# Altium PCB Booster_Main_Board.PcbDoc (part 11 of 13)
Units mm, origin at the board's own origin, x right, y up, seen from the top; angles counter-clockwise.
Board outline 400.01 x 117.51 mm, 4 copper layers (Component Side, Signal Layer 1, Power Plane, Solder Side), stack 1.604 mm thick; 1091 components, 573 nets, 3133 pads, 1954 vias.
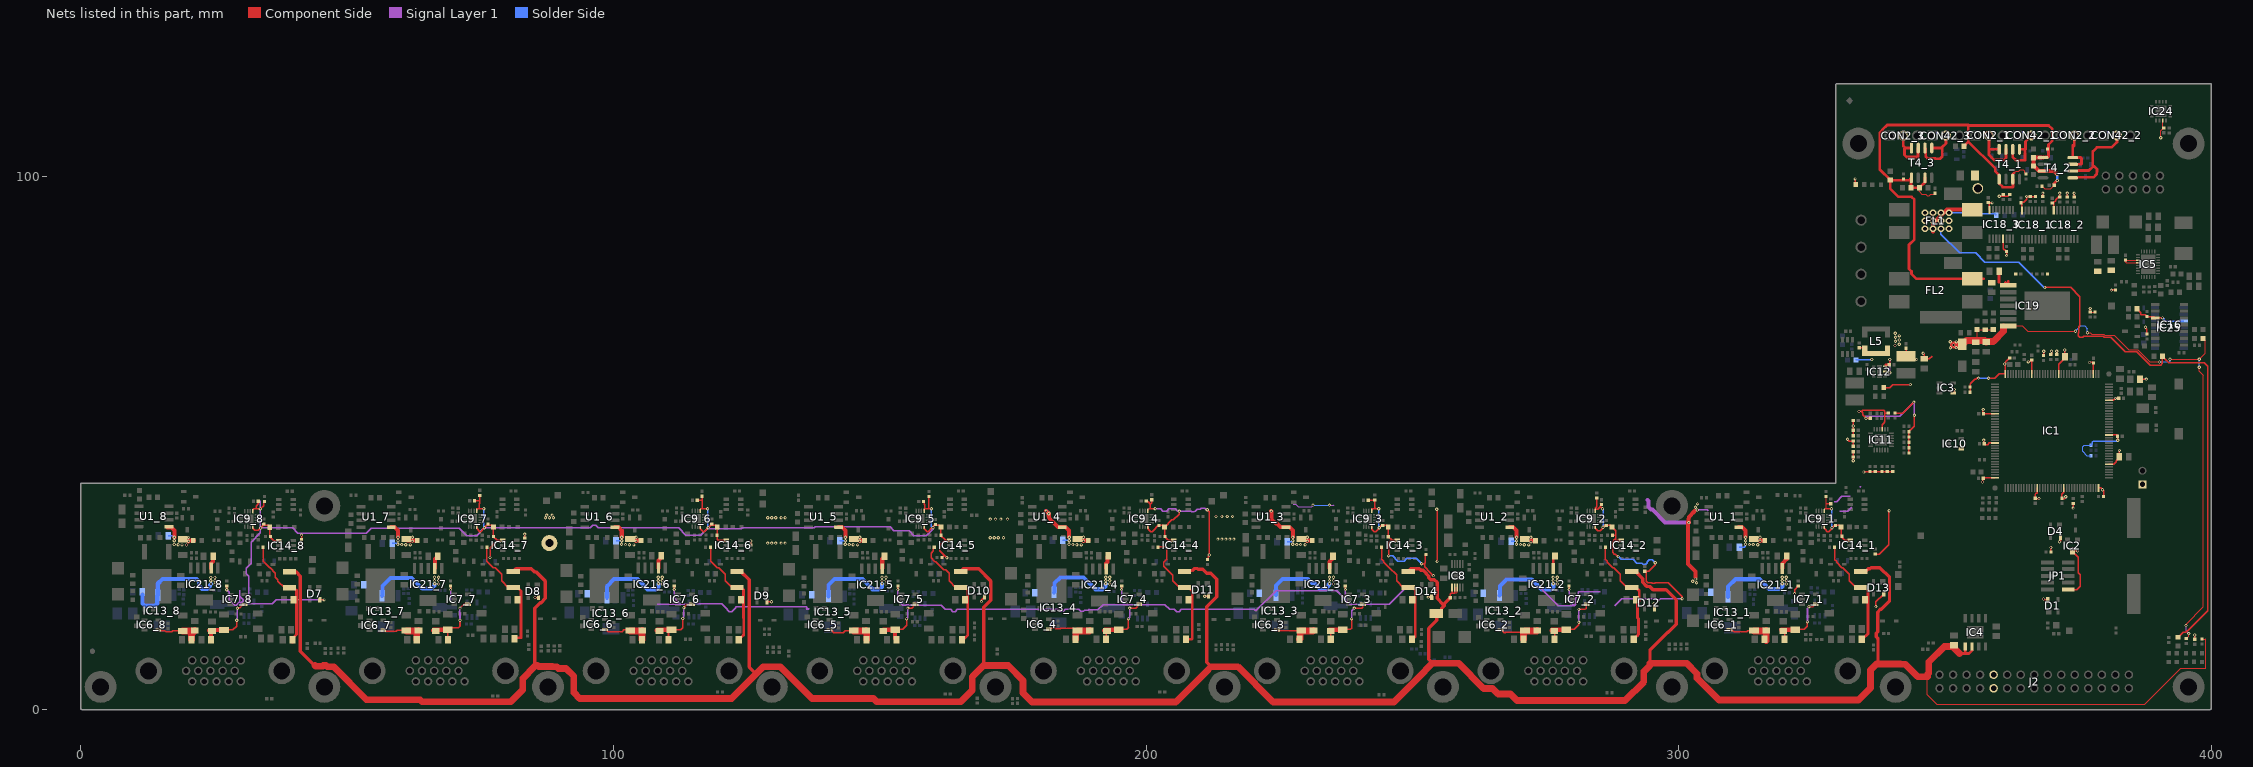
[diagram p13: the nets of this part, all layers, seen from the top]

## Via types
v1: diameter 0.6, hole 0.3, Component Side to Solder Side, tented both sides, 1808 vias
v2: diameter 0.6, hole 0.3, Component Side to Solder Side, 77 vias
v3: diameter 0.5, hole 0.3, Component Side to Solder Side, 40 vias
v4: diameter 1.27, hole 0.711, Component Side to Solder Side, tented both sides, 24 vias
v5: diameter 1.2, hole 0.8, Component Side to Solder Side, tented both sides, 5 vias

## Nets (pads, with @x,y where several pads share a name; then routed paths per layer and width w, separated by ;. In a path a pad name is that pad's centre, name@x,y a point inside that pad or via, vN(x,y) a via of type N, cw(c..) or ccw(c..) an arc to the next point about the centre after c; other vN are vias at no path point) (continued)
P3V3: C5.1 C6.1 C7.1 C8.1 C9.1 C10.1 C11.1 C12.1 C13.1 C14.1 C15.1 C16.1 C47_1.2 C47_2.2 C47_3.2 C47_4.2 C47_5.2 C47_6.2 C47_7.2 C47_8.2 C51.2 C53.1 C55.2 C56.2 C65.1 C88.2 C113_1.2 C113_2.2 C113_3.2 D1.4 D4.4 D7.4 D8.4 D9.4 D10.4 D11.4 D12.4 D13.4 D14.4 FB1.2 IC1.6 IC1.17 IC1.30 IC1.39 IC1.52 IC1.62 IC1.72 IC1.84 IC1.95 IC1.108 IC1.121 IC1.131 IC1.144 IC2.3 IC3.4 IC9_1.5 IC9_1.16 IC9_2.5 IC9_2.16 IC9_3.5 IC9_3.16 IC9_4.5 IC9_4.16 IC9_5.5 IC9_5.16 IC9_6.5 IC9_6.16 IC9_7.5 IC9_7.16 IC9_8.5 IC9_8.16 IC10.1 IC11.21 IC12.8 IC12.10 IC14_1.1 IC14_2.1 IC14_3.1 IC14_4.1 IC14_5.1 IC14_6.1 IC14_7.1 IC14_8.1 IC16.3 IC18_1.8 IC18_2.8 IC18_3.8 IC18_3.13 IC24.3 IC25.3 J2.21 J2.22 JP1.1 JP2.1 L2.2 L5.2 R1.1 R5.1 R6.1 R14.2 R22.1 R23.1 R24.1 R25.1 R32_1.1 R32_2.1 R32_3.1 R32_4.1 R32_5.1 R32_6.1 R32_7.1 R32_8.1 R36.1 R41.1 R51_1.1 R51_2.1 R51_3.1 R51_4.1 R51_5.1 R51_6.1 R51_7.1 R51_8.1 R52_1.1 R52_2.1 R52_3.1 R52_4.1 R52_5.1 R52_6.1 R52_7.1 R52_8.1 R57_1.2 R57_2.2 R57_3.2 R57_4.2 R57_5.2 R57_6.2 R57_7.2 R57_8.2 R60.1 R61.2 R62.1 R63.2 R64.2 R65.2 R68.2 R70.2 R71.2 R72.2 R73.2 R74.2 R75.2 R76.2 R77.2 R78.2 R79.2 R80.2 R81.2 R83_1.1 R83_2.1 R83_3.1 R83_4.1 R83_5.1 R83_6.1 R83_7.1 R83_8.1 R92.1 R94.1 R100.2 R105.2 R106.2 R107_1.2 R107_2.2 R107_3.2 R107_4.2 R107_5.2 R107_6.2 R107_7.2 R107_8.2 R111.2 R112.2 R113.2 R119.2 R124.2 R132.2 R133.2 R142.2 R147_1.2 R147_2.2 R147_3.2 R148_1.2 R148_2.2 R148_3.2 | length 820
  Component Side w0.152: v1(377.239,75.311) 377.239,74.634 R133.2@377.228,74.623 377.233,74.619 R132.2@378.128,74.619 ; v1(390.503,107.329) 390.471,107.361 390.471,108.662 390.631,108.822 390.674,108.822 C88.2@391.036,109.183 390.861,109.358 IC24.3@390.861,110.57
  Component Side w0.178: 327.461,37.697 327.647,37.883 327.647,38.615 R52_1.1@327.647,39.962
  Component Side w0.254: v1(27.407,22.479) R51_8.1@27.407,23.177 ; IC9_8.16@32.322,34.31 32.322,34.004 32.62,33.706 32.709,33.706 32.78,33.634 33.321,33.634 v1(33.773,34.087) 34.239,34.553 35.157,34.553 R107_8.2@35.476,34.234 35.476,32.443 36.185,31.735 IC14_8.1@37.182,31.735 ; IC9_8.5@32.322,37.26 32.322,37.529 32.461,37.668 32.92,37.668 ; C47_8.2@33.34,39.129 33.34,38.6 32.92,38.18 32.92,37.668 ; R52_8.1@34.493,39.034 34.473,39.034 34.31,38.871 34.31,38.298 v1(33.68,37.668) 32.92,37.668 ; R32_8.1@41.433,31.939 41.439,31.945 v1(41.438,32.753) ; D7.4@44.867,20.592 45.648,20.592 v1(45.667,20.574) ; v1(69.407,22.508) R51_7.1@69.407,23.206 ; C47_7.2@73.907,39.199 74.834,39.199 74.879,39.154 ; IC9_7.16@74.322,34.339 74.322,34.001 74.918,33.405 75.093,33.405 75.773,34.085 v1(75.773,34.116) 76.239,34.582 77.157,34.582 R107_7.2@77.476,34.263 R83_7.1@77.476,32.472 78.185,31.764 ; IC9_7.5@74.322,37.289 74.322,37.558 74.461,37.697 74.879,37.697 ; R52_7.1@74.879,40.221 74.879,39.154 ; v1(75.68,37.697) 74.879,37.697 ; v1(76.828,28.563) 76.828,30.407 78.185,31.764 ; IC14_7.1@79.182,31.764 78.185,31.764 ; R32_7.1@83.356,32.22 v1(83.356,32.935) ; v1(85.268,21.031) 85.275,21.024 D8.4@85.913,21.024 ; v1(111.407,22.508) R51_6.1@111.407,23.206 ; C47_6.2@115.748,39.284 116.637,39.284 ; IC9_6.16@116.322,34.339 116.322,33.912 116.83,33.405 117.062,33.405 v1(117.773,34.116) 118.239,34.582 119.157,34.582 R107_6.2@119.476,34.263 R83_6.1@119.476,32.725 119.476,31.983 119.696,31.764 IC14_6.1@121.182,31.764 ; IC9_6.5@116.322,37.289 116.322,37.558 116.461,37.697 116.637,37.697 ; R52_6.1@116.637,40.048 116.637,39.284 ; v1(117.68,37.697) 116.637,37.697 ; R32_6.1@125.789,30.894 v1(125.789,31.647) ; D9.4@128.839,20.211 129.635,20.211 v1(129.667,20.244) ; v1(153.407,22.508) R51_5.1@153.407,23.206 ; C47_5.2@158.21,39.065 158.323,38.952 158.323,38.527 158.402,38.449 IC9_5.5@158.402,37.638 ; IC9_5.16@158.322,34.339 158.322,33.949 158.867,33.405 159.062,33.405 159.769,34.112 v1(159.995,34.112) 159.995,34.337 160.239,34.582 161.157,34.582 R107_5.2@161.476,34.263 161.476,32.658 162.277,31.856 161.228,30.807 161.228,29.812 162.026,29.014 ; IC9_5.5@158.322,37.289 158.323,37.29 158.323,37.559 IC9_5.5@158.402,37.638 ; R52_5.1@159.223,39.981 159.223,37.85 159.071,37.697 ; v1(159.68,37.697) 159.071,37.697 ; R32_5.1@161.822,28.349 161.706,28.465 R32_5.1@161.706,28.554 161.706,28.574 161.869,28.737 161.877,28.737 162.026,28.886 162.026,29.014 ; 162.37,31.764 IC14_5.1@163.182,31.764 ; v1(162.608,28.505) 162.535,28.505 162.026,29.014 ; v1(169.088,20.269) 169.088,20.498 169.631,21.041 D10.4@169.631,21.177 ; v1(195.407,22.508) R51_4.1@195.407,23.206 ; C47_4.2@200.011,39.159 200.194,38.976 200.37,38.976 200.801,38.545 ; IC9_4.16@200.322,34.339 200.436,34.225 200.436,33.872 200.904,33.405 201.127,33.405 201.773,34.05 201.773,34.116 202.239,34.582 R57_4.2@202.413,34.582 203.157,34.582 R107_4.2@203.476,34.263 ; IC9_4.5@200.322,37.289 200.322,37.558 200.461,37.697 200.801,37.697 ; R52_4.1@201.047,39.39 201.047,38.791 200.801,38.545 ; v1(201.68,37.697) 200.801,37.697 ; IC14_4.1@205.182,31.764 204.185,31.764 203.476,32.472 R107_4.2@203.476,34.263 ; v1(206.228,37.254) 206.228,36.701 205.121,35.594 204.818,35.594 203.487,34.263 R107_4.2@203.476,34.263 ; v1(210.998,21.285) 211.016,21.304 D11.4@211.694,21.304 ; v1(211.494,37.504) 211.868,37.13 v1(211.868,29.01) 211.868,28.916 211.641,28.689 211.641,28.285 R32_4.1@211.527,28.171 R32_4.1@211.527,28.177 ; v1(237.407,22.508) R51_3.1@237.407,23.206 ; C47_3.2@241.704,39.28 242.863,39.28 R52_3.1@242.898,39.314 242.898,37.87 243.071,37.697 ; IC9_3.16@242.322,34.339 242.367,34.294 242.367,33.826 242.788,33.405 243.105,33.405 243.773,34.072 v1(243.773,34.116) 244.239,34.582 R57_3.2@244.424,34.582 245.157,34.582 R107_3.2@245.476,34.263 245.476,32.472 246.095,31.854 ; IC9_3.5@242.322,37.289 242.322,37.558 242.461,37.697 243.071,37.697 ; v1(243.68,37.697) 243.071,37.697 ; v1(245.528,28.842) 245.528,31.287 246.095,31.854 ; IC14_3.1@247.182,31.764 246.185,31.764 246.095,31.854 ; v1(251.728,27.354) 252.192,27.354 ; 252.241,27.305 252.354,27.192 252.354,26.795 252.786,26.363 252.786,26.211 253.157,25.839 253.425,25.571 253.43,25.571 253.856,25.146 v1(253.949,25.146) ; 252.354,27.418 252.448,27.513 252.448,29.042 R32_3.1@252.528,29.122 R32_3.1@252.695,28.956 ; v1(252.959,21.107) 252.966,21.1 D14.4@253.629,21.1 ; v1(254.56,37.597) 254.635,37.522 v1(254.635,27.82) ; v1(279.407,22.508) R51_2.1@279.407,23.206 ; IC9_2.16@284.322,34.339 284.322,34.06 284.773,33.609 285.253,33.609 285.775,34.131 v1(285.775,34.214) 285.86,34.214 285.866,34.208 286.239,34.582 R57_2.2@286.41,34.582 287.157,34.582 R107_2.2@287.476,34.263 288.18,33.559 288.18,32.725 ; IC9_2.5@284.322,37.289 IC9_2.5@284.322,37.564 ; R52_2.1@284.573,39.687 284.573,38.036 284.351,37.814 284.351,37.587 284.342,37.587 284.322,37.567 IC9_2.5@284.322,37.564 ; C47_2.2@285.293,38.687 C47_2.2@285.385,38.595 ; v1(285.68,37.697) 285.305,38.072 ; R83_2.1@287.586,32.725 R83_2.1@287.596,32.725 288.18,32.725 ; v1(288.608,28.747) 288.515,28.747 288.089,29.172 287.904,29.172 287.565,29.512 287.565,31.465 288.024,31.925 ; IC14_2.1@289.182,31.764 288.185,31.764 288.024,31.925 ; R32_2.1@293.611,25.966 R32_2.1@293.848,25.966 ; v1(295.377,19.914) 295.438,19.853 D12.4@295.438,18.941 ; v1(295.568,27.575) 295.568,27.217 294.317,25.966 R32_2.1@293.848,25.966 ; v1(300.628,20.803) 300.628,21.211 298.065,23.775 295.568,23.775 295.468,23.675 294.988,23.675 294.888,23.775 294.188,23.775 293.848,24.114 R32_2.1@293.848,25.966 ; 302.795,36.781 v1(303.479,37.465) ; 302.986,24.75 v1(303.225,24.511) ; v1(321.728,21.754) 321.728,22.527 R51_1.1@322.407,23.206 ; IC9_1.16@327.322,34.339 327.322,34.025 327.477,33.87 327.477,33.831 327.904,33.405 328.127,33.405 328.773,34.05 v1(328.773,34.116) 329.239,34.582 R57_1.2@329.413,34.582 330.157,34.582 R107_1.2@330.476,34.263 330.476,32.472 331.185,31.764 IC14_1.1@332.182,31.764 ; 327.461,37.697 v1(328.68,37.697) ; 327.647,38.615 C47_1.2@328.54,38.615 ; v1(331.699,50.749) 332.041,50.407 R64.2@332.749,50.407 R65.2@332.749,49.407 ; v1(332.749,46.701) R70.2@332.749,47.407 R68.2@332.749,48.407 ; R63.2@332.749,51.407 R61.2@332.749,52.407 v1(332.749,53.229) 332.758,53.238 R105.2@332.758,54.254 ; v1(333.096,99.619) 333.096,98.692 R142.2@333.21,98.577 ; v1(333.828,55.954) 334.243,55.954 ; C51.2@333.877,67.929 334.834,67.929 L5.2@334.909,67.854 ; v1(334.747,44.602) 334.823,44.679 R71.2@335.91,44.679 R72.2@336.91,44.679 R73.2@338.16,44.679 R74.2@339.16,44.679 R75.2@340.16,44.679 ; C53.1@335.969,54.707 335.173,54.707 334.518,55.362 334.518,55.679 334.243,55.954 ; R32_1.1@336.866,29.206 336.873,29.199 337.408,29.199 337.435,29.171 337.646,29.171 339.446,30.971 339.446,37.274 v1(339.478,37.306) ; v1(337.007,19.329) 337.007,20.227 D13.4@338.465,21.685 ; IC11.21@338.219,52.607 338.219,53.49 338.575,53.846 338.575,53.917 338.709,54.051 338.709,55.729 ; R81.2@338.473,60.459 339.598,60.459 340.153,61.014 v1(343.478,61.014) ; IC12.8@338.723,63.459 338.757,63.424 339.446,63.424 v1(339.623,63.246) ; R60.1@339.344,55.639 338.8,55.639 338.709,55.729 ; C55.2@339.504,64.719 339.598,64.814 v1(339.598,65.71) ; R62.1@340.589,55.639 342.075,55.639 v1(344.145,57.709) ; C65.1@342.646,67.8 342.673,67.773 L2.2@342.673,66.309 ; R76.2@343.189,48.157 R77.2@343.189,49.157 R78.2@343.189,50.157 R79.2@343.189,51.157 R80.2@343.189,52.157 343.189,52.278 343.478,52.567 343.595,52.567 344.228,53.2 v1(344.228,55.254) ; v1(345.872,66.904) 346.126,66.65 C56.2@346.126,65.822 347.047,65.822 347.558,66.333 ; IC3.4@351.523,59.426 351.728,59.631 v1(351.728,60.075) ; v1(352.908,49.784) 352.933,49.758 352.933,49.044 IC10.1@353.02,48.957 ; R36.1@354.686,60.554 354.686,61.112 ; R41.1@354.696,59.55 R36.1@354.696,60.554 ; 354.736,61.189 355.543,61.995 355.788,61.995 355.957,62.164 356.22,62.164 v1(356.286,62.23) ; v1(357.022,42.723) 357.068,42.768 357.068,43.409 357.208,43.549 357.587,43.549 357.646,43.49 358.805,43.49 358.864,43.549 IC1.108@359.353,43.549 ; v1(357.175,56.312) 357.093,56.23 357.093,55.55 357.094,55.549 IC1.84@359.353,55.549 ; v1(357.245,50.591) 357.245,49.886 357.408,50.049 357.408,49.823 357.498,49.733 358.02,49.733 358.335,50.049 IC1.95@359.353,50.049 ; C113_3.2@358.128,95.279 358.283,95.124 C113_3.2@358.338,95.124 ; v1(358.165,62.205) 359.334,62.205 360.128,62.999 IC1.72@361.303,62.999 361.303,64.695 361.212,64.785 v1(361.212,64.879) ; IC18_3.8@358.331,93.804 358.331,95.117 C113_3.2@358.338,95.124 ; v1(358.825,95.124) C113_3.2@358.338,95.124 ; v1(360.178,96.354) 360.183,96.349 361.783,96.349 R147_3.2@362.128,96.694 ; IC18_3.13@360.871,88.404 360.939,88.336 360.939,86.518 361.102,86.355 361.158,86.355 R23.1@361.528,85.984 361.528,85.254 v1(361.553,85.229) ; v1@361.264,64.879 361.264,65.024 361.385,65.145 361.385,65.361 361.549,65.524 361.619,65.524 C14.1@362.11,66.015 ; IC18_1.8@364.431,93.704 364.431,95.077 364.253,95.254 364.778,95.254 365.303,95.779 v1(365.303,96.329) 365.333,96.299 R24.1@365.978,96.299 R148_1.2@366.953,96.299 ; v1(365.619,65.257) 365.713,65.257 365.888,65.432 366.11,65.432 C12.1@366.303,65.625 ; IC1.62@366.303,62.999 C12.1@366.303,65.706 ; C11.1@366.928,39.542 C11.1@366.928,39.642 366.928,40.452 367.045,40.569 367.303,40.569 IC1.121@367.303,41.599 ; C11.1@367.081,39.593 v1(367.634,39.593) ; R147_1.2@368.328,96.324 368.328,96.929 v1(368.353,96.954) ; v1(368.478,20.754) 368.578,20.654 D1.4@369.278,20.654 ; R25.1@368.478,66.474 368.504,66.5 368.504,67.241 v1(368.531,67.267) ; R113.2@369.824,66.637 369.978,66.791 v1(369.978,67.254) ; R1.1@369.862,29.566 v1(369.862,30.416) ; IC18_2.8@370.406,93.754 370.406,95.101 370.303,95.204 370.423,95.204 370.783,95.563 370.783,95.683 371.323,96.224 R22.1@371.528,96.224 371.528,96.904 371.578,96.954 371.573,96.959 v1(371.521,96.959) ; R112.2@370.942,66.637 370.978,66.674 v1(370.978,67.254) ; IC1.52@371.303,62.999 371.303,64.826 C10.1@372.262,65.786 ; v1(371.478,31.504) 371.678,31.704 D4.4@371.678,32.354 ; IC1.131@372.303,41.599 372.303,40.756 371.932,40.386 C13.1@371.932,39.642 371.932,39.542 372.416,39.542 372.643,39.77 v1(372.643,39.954) ; v1(372.478,67.504) 372.478,67.294 372.505,67.321 C10.1@372.505,66.218 ; R148_2.2@372.928,96.224 v1(372.928,96.954) ; JP1.1@373.12,22.555 373.171,22.504 374.728,22.504 375.356,23.132 375.356,25.31 374.978,25.688 374.978,28.56 373.769,29.769 IC2.3@373.888,29.769 v1(374.879,29.769) ; v1(374.04,37.821) R6.1@374.04,38.646 ; v1(374.228,96.929) 374.253,96.954 R147_2.2@374.253,96.224 ; v1(377.108,65.157) 377.85,65.157 377.803,65.109 IC1.39@377.803,62.999 ; IC1.144@378.803,41.599 379.225,41.599 v1(379.552,41.271) 379.761,41.062 R5.1@379.761,39.955 ; IC1.6@380.753,46.049 380.776,46.072 381.652,46.072 382.128,46.548 382.128,46.735 382.716,47.323 C16.1@382.716,47.498 382.716,48.63 v1(382.727,48.641) ; IC1.17@380.753,51.549 382.213,51.549 382.479,51.283 382.422,51.226 v1(382.422,50.546) ; IC1.30@380.753,58.049 381.594,58.049 381.94,58.395 C7.1@382.58,58.395 ; v1(381.228,78.754) 381.258,78.784 R14.2@381.978,78.784 ; R94.1@386.028,75.254 386.758,74.525 386.758,74.254 386.857,74.155 387.533,74.155 R92.1@387.903,73.784 389.192,73.784 IC16.3@389.452,73.524 v1(390.819,73.524) ; FB1.2@386.57,62.027 v1(387.752,62.027) ; v1(387.629,71.755) 387.629,71.661 387.903,71.388 R100.2@387.903,70.474 ; R111.2@396.876,13.201 v1(396.876,14.001) ; 74.879,37.697 74.79,37.786 74.79,38.608 74.879,38.697 74.879,39.154 ; 116.637,37.697 116.637,39.284 ; IC9_5.5@158.402,37.638 158.461,37.697 159.071,37.697 ; 200.801,37.697 200.801,38.545 ; IC9_2.5@284.322,37.564 284.334,37.576 284.81,37.576 285.305,38.072 ; 285.305,38.072 285.385,38.151 C47_2.2@285.385,38.412 ; 285.305,38.072 285.277,38.1 285.277,38.305 C47_2.2@285.385,38.412 ; C47_2.2@285.385,38.412 C47_2.2@285.385,38.595 ; C47_2.2@285.385,38.412 C47_2.2@285.476,38.504 C47_2.2@285.385,38.595 ; 288.024,31.925 288.18,32.081 288.18,32.725 ; 334.243,55.954 334.312,55.954 334.569,56.21 338.228,56.21 338.256,56.183 338.474,56.183 338.638,56.019 338.638,55.8 338.709,55.729
  Component Side w0.508: 338.861,64.719 C55.2@339.504,64.719
  Component Side w0.762: v1@301.7,35.196 301.892,36.172 302.986,37.266 ; v1(301.89,35.104) 301.7,34.914 301.7,27.357 303.128,25.929 303.128,24.892
  Signal Layer 1 w0.178: 227.588,38.513 228.125,38.513 228.521,38.117 231.06,38.117 v1(231.331,38.389) ; v1(234.409,38.386) 235.18,38.386 235.279,38.485
  Signal Layer 1 w0.254: v1(27.407,22.479) 27.91,21.976 27.91,20.605 28.946,19.569 29.157,19.569 29.818,20.231 29.818,21.229 ; 29.794,22.352 29.794,21.253 29.818,21.229 ; v1(33.68,37.668) v1@33.731,37.668 ; 33.731,39.243 v1@33.731,37.668 ; v1(33.773,34.087) 39.756,34.087 40.747,33.096 53.613,33.096 54.548,34.031 71.049,34.031 72.441,32.639 74.327,32.639 75.773,34.085 v1(75.773,34.116) 95.653,34.116 96.153,34.615 96.633,34.615 97.133,34.116 112.214,34.116 113.563,32.766 116.423,32.766 v1(117.773,34.116) 117.943,33.946 124.013,33.946 124.183,34.116 137.741,34.116 137.911,34.285 151.937,34.285 152.66,33.562 155.51,33.562 156.403,32.669 158.755,32.669 159.995,33.909 v1(159.995,34.112) ; v1(45.667,20.574) 36.703,20.574 35.966,19.837 31.547,19.837 ; v1(69.407,22.508) 69.418,22.496 69.418,20.32 ; 108.229,19.754 113.428,19.754 ; v1(111.407,22.508) 111.407,20.877 112.42,19.863 ; 113.538,19.863 120.303,19.863 121.368,18.797 121.368,18.737 121.708,18.398 122.238,18.398 122.984,19.144 122.984,19.195 123.044,19.254 136.228,19.254 136.423,19.06 ; 136.617,19.06 136.617,18.865 ; v1(153.407,22.508) 153.407,20.533 154.337,19.602 154.91,19.602 154.937,19.629 155.51,19.629 155.556,19.583 155.626,19.583 ; 155.626,19.533 161.569,19.533 162.306,18.796 163.31,18.796 163.708,18.398 164.188,18.398 164.586,18.796 183.618,18.796 183.991,18.423 184.471,18.423 184.843,18.796 187.377,18.796 187.75,18.423 188.23,18.423 188.458,18.652 189.144,18.652 189.297,18.805 189.399,18.703 190.966,18.703 191.948,19.685 196.037,19.685 ; v1(195.407,22.508) 195.407,20.316 196.037,19.685 ; v1(201.68,37.697) 202.715,37.697 203.158,37.254 203.849,37.254 204.262,37.667 205.5,37.667 205.913,37.254 v1(206.228,37.254) 208.452,37.254 208.588,37.118 209.068,37.118 209.204,37.254 209.228,37.254 209.615,37.641 ; 209.628,37.628 210.183,37.628 210.388,37.833 210.968,37.833 211.297,37.504 v1(211.494,37.504) ; v1(237.407,22.508) 237.407,20.683 ; 239.547,19.736 238.354,19.736 237.407,20.683 ; 239.547,19.761 245.669,19.761 248.971,23.063 ; 273.837,23.063 277.393,19.507 280.416,19.507 ; v1(279.407,22.508) 279.407,20.517 280.416,19.507 ; 285.251,22.16 281.094,22.16 281.094,21.375 280.66,20.941 280.66,19.751 280.416,19.507 ; 287.957,19.454 289.306,20.803 295.7,20.803 295.899,20.604 296.379,20.604 296.577,20.803 v1(300.628,20.803) ; v1(303.479,37.465) 305.384,37.465 305.511,37.338 ; 329.185,39.051 329.665,39.051 330.619,40.004 332.228,40.004 ; 330.228,37.254 331.728,37.254 332.478,38.004 ; 333.959,41.783 334.086,41.783 334.125,41.744 ; 334.913,55.047 341.482,55.047 v1(344.145,57.709) 344.228,57.625 v1(344.228,55.254) ; v1(339.598,65.71) 339.623,65.684 v1(339.623,63.246) ; 29.818,21.229 30.565,20.482 29.921,19.837 31.547,19.837 ; 31.547,19.837 31.547,24.987 31.018,25.516 31.018,26.522 31.953,27.457 31.953,31.369 33.731,33.147 v1@33.731,37.668 ; 136.423,19.06 136.617,18.865 ; 136.423,19.06 136.228,18.865 136.617,18.865 ; 196.037,19.685 203.53,19.685 204.419,18.796 205.31,18.796 205.708,18.398 206.188,18.398 206.586,18.796 220.331,18.796 220.617,18.509 224.453,22.345 230.403,22.345 230.461,22.288 230.941,22.288 230.999,22.345 235.744,22.345 237.407,20.683
  Signal Layer 1 w0.762: 294.166,39.303 294.294,39.174 294.294,38.009 294.782,37.521 295.027,37.521 297.444,35.104 v1(301.89,35.104)
  Solder Side w0.152: R106.2@377.363,49.652 R106.2@377.363,49.632 376.145,49.632 375.803,49.289 375.803,48.454 376.586,47.67 R119.2@377.38,47.67
  Solder Side w0.178: v1(231.331,38.389) 234.407,38.389 v1(234.409,38.386)
  Solder Side w0.254: v1@69.407,22.457 v1(69.407,22.508) ; v1(75.68,37.697) 75.68,34.208 v1(75.773,34.116) ; v1(76.828,28.563) v1@76.978,28.563 ; v1(117.68,37.697) 117.68,34.208 v1(117.773,34.116) ; v1(159.68,37.697) 159.68,34.426 v1(159.995,34.112) ; v1(243.68,37.697) 243.68,34.208 v1(243.773,34.116) ; v1(245.528,28.842) 246.27,28.842 247.258,27.854 248.431,27.854 248.975,28.398 250.683,28.398 v1(251.728,27.354) ; v1(285.68,37.697) 285.775,37.602 v1(285.775,34.214) ; v1(288.608,28.747) 289.186,28.169 291.426,28.169 292.143,27.452 293.076,27.452 293.288,27.241 293.768,27.241 294.128,27.6 294.128,27.774 294.488,28.133 295.009,28.133 v1(295.568,27.575) ; v1(321.728,21.754) v1@321.728,21.778 ; v1(328.68,37.697) 328.68,34.208 v1(328.773,34.116) ; R124.2@333.259,65.629 333.344,65.714 v1(336.219,65.714) ; v1(356.286,62.23) 358.14,62.23 v1(358.165,62.205) ; R106.2@377.363,49.652 377.628,49.917 377.628,50.261 377.776,50.41 382.193,50.41 382.329,50.546 v1(382.422,50.546) ; v1@390.83,73.635 390.83,73.513 391.42,72.923 IC25.3@394.8,72.923
  other v1: 303.352,23.786 302.628,24.068 303.128,37.973 303.528,38.608 335.153,54.686 381.965,58.42 344.653,65.71 340.589,68.353 341.378,68.579 340.676,69.129 341.378,69.379 340.698,69.904 341.403,70.146 340.651,70.637
P5V0: C22.2 C122.2 C139.1 F1_1.1 F1_2.1 F1_3.1 F1_4.1 F1_5.1 F1_6.1 F1_7.1 F1_8.1 IC4.1 IC4.2 IC8.1 IC8.2 IC8.3 R21.1 | length 625.9
  Component Side w0.152: 346.696,6.177 346.696,2.732 348.424,1.004 387.478,1.004 394.228,7.754 398.978,7.754 398.978,13.254 398.948,13.224 R21.1@398.228,13.224 ; 355.041,11.067 IC4.2@355.041,11.853
  Component Side w0.178: 257.928,21.944 257.958,21.915 258.324,21.915 258.428,22.019 IC8.3@258.428,22.915
  Component Side w0.254: C122.2@257.091,20.992 257.091,21.633 257.321,21.864 ; IC8.1@257.428,22.915 257.428,21.971 257.321,21.864 ; IC8.2@257.94,22.927 IC8.2@257.928,22.915 257.928,21.944 257.848,21.864 257.321,21.864
  Component Side w0.508: 352.728,10.504 353.728,10.504 ; IC4.1@353.771,11.853 353.771,10.547 353.728,10.504 ; 355.041,11.067 354.478,10.504 353.728,10.504
  Component Side w0.635: F1_8.1@39.192,25.884 40.41,25.884 41.228,25.066 41.228,10.973 43.946,8.255 ; F1_7.1@81.192,25.913 81.703,26.424 84.596,26.424 85.199,25.821 85.533,25.821 87.224,24.13 87.224,20.87 86.408,20.054 86.272,20.054 85.199,18.982 85.199,8.06 ; F1_6.1@123.192,25.913 123.896,25.913 125.476,24.333 125.476,7.976 126.785,6.667 ; F1_5.1@165.192,25.913 165.678,26.398 168.55,26.398 170.815,24.133 170.815,20.523 169.52,19.228 169.52,8.255 ; F1_4.1@207.192,25.913 207.375,26.096 208.623,26.096 209.002,26.475 209.65,26.475 209.808,26.317 210.64,26.317 211.404,25.552 212.115,25.552 213.233,24.435 213.233,21.133 211.404,19.304 211.404,8.839 212.202,8.041 211.681,7.521 ; F1_3.1@249.192,25.913 249.703,26.424 251.313,26.424 251.427,26.31 251.592,26.144 252.008,26.144 252.56,25.592 252.56,25.479 253.035,25.004 253.035,24.765 253.429,24.37 254.124,24.37 254.635,23.859 254.635,20.903 255.728,19.81 255.728,19.58 ; 253.786,8.702 253.035,9.453 253.035,15.222 254.596,16.783 C139.1@254.596,18.032 ; C139.1@254.503,18.032 C139.1@254.596,18.032 ; C122.2@257.091,20.992 255.97,19.871 255.97,19.499 255.461,18.99 255.461,18.515 254.978,18.032 C139.1@254.596,18.032 ; F1_2.1@291.192,25.913 291.908,25.913 293.251,24.57 293.251,23.867 293.94,23.178 294.093,23.178 294.17,23.1 294.53,23.1 295.159,22.471 295.797,22.471 295.805,22.479 297.612,22.479 299.517,20.574 299.517,15.977 298.051,14.511 297.953,14.511 294.589,11.147 294.589,8.702 ; F1_1.1@335.102,25.933 335.593,26.424 335.877,26.424 336.106,26.652 337.733,26.652 339.573,24.812 339.573,20.39 337.986,18.804 337.831,18.804 337.327,18.3 337.327,14.566 337.05,14.289 337.05,13.651 337.401,13.3 337.401,9.083 337.93,8.554
  Component Side w1.27: 43.946,8.255 44.093,8.107 45.358,8.107 45.505,8.255 46.036,8.255 46.25,8.041 47.418,8.041 53.628,1.832 63.72,1.832 64.109,1.443 78.886,1.443 78.892,1.448 80.67,1.448 82.982,3.759 82.982,5.842 85.199,8.06 85.42,8.28 85.737,8.28 85.96,8.057 88.5,8.057 88.516,8.041 89.297,8.041 89.637,7.701 91.105,7.701 92.558,6.248 92.558,3.175 93.651,2.082 122.2,2.082 126.785,6.667 128.159,8.041 ; 128.204,8.041 131.297,8.041 137.257,2.082 148.817,2.082 149.451,1.448 165.151,1.448 167.366,3.663 167.366,6.178 169.443,8.255 169.52,8.255 174.117,8.255 176.911,5.461 176.911,3.099 178.594,1.416 205.577,1.416 211.681,7.521 ; 212.202,8.041 217.223,8.041 223.849,1.416 246.534,1.416 251.011,5.892 251.011,5.926 253.786,8.702 258.636,8.702 263.372,3.967 265.022,3.967 266.093,2.896 268.406,2.896 269.625,1.676 289.916,1.676 293.446,5.207 293.446,7.163 294.589,8.306 ; 294.589,8.702 301.459,8.702 303.446,6.715 303.446,5.892 307.56,1.778 333.731,1.778 336.011,4.058 336.011,7.427 337.137,8.554 337.93,8.554 341.571,8.554 341.611,8.514 342.51,8.514 344.847,6.177 346.696,6.177 346.696,6.576 346.934,6.814 346.934,8.936 349.851,11.853 351.379,11.853 352.728,10.504
P5V0_CH_1: C36_1.2 FB6_1.2 IC7_1.4 R39_1.1 | length 12.2
  Component Side w0.254: R39_1.1@321.888,14.985 321.963,15.06 323.547,15.06
  Component Side w0.305: C36_1.2@319.638,14.775 319.873,14.54 FB6_1.2@319.873,13.208 ; 323.547,15.06 324.146,15.659 v1@324.146,16.459 ; v1@324.354,19.304 v1(324.434,19.304) 325.137,19.304 325.316,19.483 325.316,19.603 325.463,19.751 IC7_1.4@325.713,19.751
  Component Side w0.762: C36_1.2@319.238,14.985 R39_1.1@321.888,14.985
  Signal Layer 1 w0.305: v1(324.157,16.454) 324.168,16.465 324.168,18.958 324.434,19.224 v1(324.434,19.304)
P5V0_CH_2: C36_2.2 FB6_2.2 IC7_2.4 R39_2.1 | length 12.4
  Component Side w0.254: R39_2.1@278.888,14.985 278.963,15.06 280.361,15.06 281.252,15.951 v1(281.252,16.403) ; v1@281.252,18.888 v1(281.252,18.798) 282.448,18.798 282.596,18.947 282.596,19.634 IC7_2.4@282.713,19.751
  Component Side w0.305: C36_2.2@276.638,14.775 276.693,14.72 FB6_2.2@276.693,13.208
  Component Side w0.762: C36_2.2@276.088,14.835 276.238,14.985 R39_2.1@278.888,14.985
  Signal Layer 1 w0.254: v1(281.252,16.403) v1(281.252,18.798)
P5V0_CH_3: C36_3.2 FB6_3.2 IC7_3.4 R39_3.1 | length 12.6
  Component Side w0.254: R39_3.1@236.888,14.985 236.963,15.06 238.348,15.06 238.582,15.294 v1(238.582,17.018) ; v1(239.09,19.05) 240.468,19.05 240.649,19.231 240.649,19.687 IC7_3.4@240.713,19.751
  Component Side w0.305: C36_3.2@234.428,14.985 234.238,14.985 234.656,14.567 FB6_3.2@234.656,13.208
  Component Side w0.762: C36_3.2@234.428,14.985 R39_3.1@236.888,14.985
  Signal Layer 1 w0.254: v1(238.582,17.018) 238.582,18.542 v1(239.09,19.05)
P5V0_CH_4: C36_4.2 FB6_4.2 IC7_4.4 R39_4.1 | length 12.5
  Component Side w0.254: R39_4.1@194.888,14.985 194.963,15.06 196.361,15.06 196.703,15.403 196.672,15.434 v1(196.672,17.018) ; v1(196.926,19.05) 198.012,19.05 198.29,19.328 198.29,19.578 198.463,19.751 IC7_4.4@198.713,19.751
  Component Side w0.305: FB6_4.2@192.492,13.208 192.492,14.63 C36_4.2@192.638,14.775
  Component Side w0.762: C36_4.2@192.088,14.835 192.238,14.985 R39_4.1@194.888,14.985
  Signal Layer 1 w0.254: v1(196.672,17.018) 196.672,17.112 196.926,17.366 v1(196.926,19.05)
P5V0_CH_5: C36_5.2 FB6_5.2 IC7_5.4 R39_5.1 | length 11.9
  Component Side w0.254: R39_5.1@152.888,14.985 152.963,15.06 154.29,15.06 155.016,15.786 v1(155.016,17.018) ; v1(155.27,19.05) 156.012,19.05 156.29,19.328 156.29,19.578 156.463,19.751 IC7_5.4@156.713,19.751
  Component Side w0.762: C36_5.2@150.709,14.985 R39_5.1@152.888,14.985 152.888,13.315 FB6_5.2@153.122,13.081
  Signal Layer 1 w0.254: v1(155.016,17.018) 155.27,17.272 v1(155.27,19.05)
P5V0_CH_6: C36_6.2 FB6_6.2 IC7_6.4 R39_6.1 | length 13
  Component Side w0.254: R39_6.1@110.888,14.985 112.607,14.985 113.023,15.401 v1(113.023,17.095) ; v1@113.17,19.113 v1(113.233,19.113) 113.233,19.177 113.807,19.751 IC7_6.4@114.713,19.751
  Component Side w0.305: FB6_6.2@110.323,13.081 110.323,14.42 R39_6.1@110.888,14.985
  Component Side w0.762: C36_6.2@108.088,14.835 108.238,14.985 R39_6.1@110.888,14.985
  Signal Layer 1 w0.254: v1(113.023,17.095) 113.023,17.189 113.233,17.399 v1(113.233,19.113)
P5V0_CH_7: C36_7.2 FB6_7.2 IC7_7.4 R39_7.1 | length 12.7
  Component Side w0.305: FB6_7.2@68.921,13.081 68.921,14.952 R39_7.1@68.888,14.985 69.256,15.353 70.903,15.353 71.196,15.646 v1(71.196,16.764) ; v1(71.196,19.05) 71.885,19.738 72.701,19.738 IC7_7.4@72.713,19.751
  Component Side w0.762: C36_7.2@66.088,14.835 66.238,14.985 R39_7.1@68.888,14.985
  Signal Layer 1 w0.305: v1(71.196,16.764) 71.196,18.13 71.094,18.232 71.094,18.485 71.14,18.531 71.14,18.994 v1(71.196,19.05)
P5V0_CH_8: C36_8.2 FB6_8.2 IC7_8.4 R39_8.1 | length 12.2
  Component Side w0.254: R39_8.1@26.888,14.956 28.568,14.956 29.286,15.674 v1(29.286,16.764) ; v1(29.407,19) 29.473,19.066 29.807,19.066 30.463,19.722 IC7_8.4@30.713,19.722
  Component Side w0.762: C36_8.2@24.088,14.806 24.578,14.806 C36_8.2@24.638,14.746 ; FB6_8.2@24.471,13.081 C36_8.2@24.471,14.58 ; C36_8.2@24.471,14.956 R39_8.1@26.888,14.956
  Signal Layer 1 w0.254: v1(29.286,16.764) 29.346,16.824 29.346,18.869 29.407,18.93 v1(29.407,19)
P5V0MP_1: C34_1.2 F1_1.2 FB3_1.1 R58_1.1 | length 21.5
  Component Side w0.254: R58_1.1@329.227,30.484 329.281,30.429 329.281,28.132 329.279,28.13 329.612,27.797 329.612,27.632 330.612,26.632 330.778,26.632 332.008,25.402 332.008,24.159 F1_1.2@333.283,22.884
  Component Side w0.508: F1_1.2@333.283,22.884 335.005,22.884 335.509,22.38 335.509,14.224 334.493,13.208 FB3_1.1@334.351,13.208
P5V0MP_2: C34_2.2 F1_2.2 FB3_2.1 R58_2.1 | length 20.9
  Component Side w0.254: R58_2.1@286.227,30.484 286.227,28.182 286.612,27.797 286.612,27.632 287.612,26.632 287.776,26.632 289.008,25.4 289.008,24.159 F1_2.2@290.283,22.884
  Component Side w0.508: F1_2.2@290.283,22.884 292.005,22.884 292.583,22.306 292.583,20.369 292.246,20.032 292.246,17.244 292.451,17.039 292.451,14.105 292.201,13.855 292.1,13.855 FB3_2.1@292.1,13.754
P5V0MP_3: C34_3.2 F1_3.2 FB3_3.1 R58_3.1 | length 21.1
  Component Side w0.254: R58_3.1@244.227,30.484 244.227,28.182 244.612,27.797 244.612,27.632 245.612,26.632 245.663,26.632 247.008,25.287 247.008,24.159 F1_3.2@248.283,22.884
  Component Side w0.508: F1_3.2@248.283,22.884 250.005,22.884 250.546,22.343 250.546,13.73 FB3_3.1@250.023,13.208
P5V0MP_4: C34_4.2 F1_4.2 FB3_4.1 R58_4.1 | length 23.6
  Component Side w0.254: R58_4.1@202.227,30.484 202.227,30.396 202.382,30.551 203.567,30.551 203.906,30.212 203.906,28.188 203.347,27.629 203.347,26.897 205.008,25.236 205.008,24.159 F1_4.2@206.283,22.884
  Component Side w0.508: F1_4.2@206.283,22.884 208.005,22.884 208.686,22.203 208.686,13.335 208.559,13.208 FB3_4.1@207.478,13.208
P5V0MP_5: C34_5.2 F1_5.2 FB3_5.1 R58_5.1 | length 22.4
  Component Side w0.254: R58_5.1@160.227,30.484 160.064,30.321 160.064,29.793 159.647,29.376 159.647,28.453 160.343,27.757 160.487,27.757 162.011,26.233 162.368,26.233 163.008,25.594 163.008,24.159 F1_5.2@164.283,22.884
  Component Side w0.508: F1_5.2@164.283,22.884 166.005,22.884 166.522,22.367 166.522,13.97 165.633,13.081 FB3_5.1@165.441,13.081
P5V0MP_6: C34_6.2 F1_6.2 FB3_6.1 R58_6.1 | length 21.5
  Component Side w0.254: R58_6.1@118.227,30.484 118.227,27.874 119.468,26.632 119.755,26.632 121.008,25.379 121.008,24.159 F1_6.2@122.283,22.884
  Component Side w0.508: F1_6.2@122.283,22.884 124.005,22.884 124.409,22.48 124.409,17.186 124.435,17.161 124.435,16.341 124.455,16.32 124.455,15.735 124.439,15.718 124.439,14.093 124.409,14.063 124.409,13.959 FB3_6.1@123.531,13.081
P5V0MP_7: C34_7.2 F1_7.2 FB3_7.1 R58_7.1 | length 22.3
  Component Side w0.254: R58_7.1@76.227,30.484 76.227,27.874 77.468,26.632 77.794,26.632 79.008,25.418 79.008,24.159 F1_7.2@80.283,22.884
  Component Side w0.508: F1_7.2@80.283,22.884 82.005,22.884 82.626,22.263 82.626,13.462 81.748,13.462 FB3_7.1@81.367,13.081
P5V0MP_8: C34_8.2 F1_8.2 FB3_8.1 R58_8.1 | length 21.8
  Component Side w0.254: R58_8.1@34.227,30.455 34.227,27.845 35.468,26.603 35.528,26.603 36.522,25.609 36.522,24.874 37.008,24.388 37.008,24.13 F1_8.2@38.283,22.855
  Component Side w0.508: F1_8.2@38.283,22.855 40.005,22.855 40.488,22.372 40.488,14.113 39.751,13.376 FB3_8.1@39.751,12.624
P6V5: C68.2 C69.2 C71.2 C72.2 C78_1.1 C78_2.1 C78_3.1 C78_4.1 C78_5.1 C78_6.1 C78_7.1 C78_8.1 C89_1.1 C89_2.1 C89_3.1 C89_4.1 C89_5.1 C89_6.1 C89_7.1 C89_8.1 D3.2 IC13_1.2 IC13_2.2 IC13_3.2 IC13_4.2 IC13_5.2 IC13_6.2 IC13_7.2 IC13_8.2 IC19.7 IC21_1.2 IC21_2.2 IC21_3.2 IC21_4.2 IC21_5.2 IC21_6.2 IC21_7.2 IC21_8.2 R30.2 R98.2 R109.1 | length 252.2
  Component Side w0.152: C68.2@356.003,69.379 C71.2@356.003,71.324 356.028,71.299 R30.2@357.553,71.299 359.003,71.299 C72.2@359.053,71.349 ; IC19.7@361.853,72.014 364.468,72.014 365.478,71.004 373.231,71.004 373.259,70.975 374.449,70.975 v1(374.477,71.004) ; v1(376.727,70.754) 377.228,70.754 377.566,70.416 379.818,70.416 380.009,70.225 381.757,70.225 384.458,67.524 386.126,67.524 388.396,65.254 v1(390.228,65.254) ; v1(392.227,65.754) v1(397.728,65.754) 398.873,66.898 398.873,69.191 R98.2@398.397,69.667 ; v1(395.228,15.754) 395.228,16.004 398.478,19.254 398.478,62.754 397.728,63.504 v1(397.728,64.254) ; R109.1@395.258,13.306 395.728,13.775 v1(395.728,14.254)
  Component Side w0.5: IC21_2.2@276.458,26.56 276.458,28.518 C78_2.1@276.769,28.829
  Component Side w0.762: IC21_8.2@24.458,26.531 24.458,27.401 24.827,27.77 C78_6.1@24.827,28.804 ; IC21_7.2@66.458,26.56 66.458,28.271 C78_5.1@66.991,28.804 ; IC21_6.2@108.458,26.56 108.458,28.005 109.002,28.549 C78_4.1@109.002,28.854 ; IC21_5.2@150.458,26.56 150.458,28.248 C78_7.1@151.014,28.804 ; IC21_4.2@192.458,26.56 192.458,27.43 192.735,27.707 C78_8.1@192.735,28.677 ; IC21_3.2@234.458,26.56 234.458,27.741 C78_3.1@234.94,28.223 ; IC21_1.2@319.458,26.56 319.458,27.43 320.251,28.223 C78_1.1@320.359,28.223
  Component Side w1.27: v1(351.578,68.429) 353.153,68.429 354.028,69.304 357.428,69.304 C69.2@357.728,69.004 357.728,69.049 357.793,69.114 359.05,69.114 360.958,71.022 IC19.7@360.958,71.824
  Signal Layer 1 w0.152: v1(395.228,15.754) 395.228,14.754 v1(395.728,14.254)
  Solder Side w0.152: v1(374.477,71.004) 375.506,72.033 376.197,72.033 376.727,71.502 v1(376.727,70.754) ; v1(390.228,65.254) 392.228,65.254 ; 392.227,65.255 v1(392.227,65.754) ; v1(397.728,64.254) v1(397.728,65.754)
  Solder Side w0.762: C89_1.1@11.557,21.615 11.557,19.939 12.014,19.482 13.906,19.482 14.352,19.928 14.352,21.324 IC13_8.2@14.446,21.418 14.446,23.615 15.375,24.543 21.707,24.543 22.154,24.097 22.154,23.289 22.781,22.662 23.789,22.662 24.278,23.15 24.278,23.414 v1(24.435,23.571) ; IC13_7.2@56.559,21.361 56.653,21.455 56.653,23.207 58.155,24.709 62.081,24.709 64.099,22.691 65.851,22.691 66.435,23.275 v1(66.435,23.6) ; IC13_6.2@98.778,20.987 98.778,23.144 100.104,24.47 104.495,24.47 106.381,22.584 107.988,22.584 108.435,23.031 v1(108.435,23.6) ; IC13_5.2@140.385,21.266 140.385,23.367 141.487,24.469 146.716,24.469 148.601,22.584 149.984,22.584 150.435,23.035 v1(150.435,23.6) ; IC13_4.2@182.713,21.979 182.807,22.073 182.807,23.727 183.891,24.81 188.276,24.81 190.502,22.584 191.789,22.584 192.336,23.131 192.336,23.502 v1(192.435,23.6) ; IC13_3.2@224.377,21.486 224.377,23.259 225.637,24.519 230.343,24.519 231.116,23.745 231.594,23.745 232.771,22.568 233.667,22.568 234.278,23.179 234.278,23.443 v1(234.435,23.6) ; IC13_2.2@266.357,21.407 266.451,21.501 266.451,23.172 267.688,24.409 272.394,24.409 274.22,22.584 275.988,22.584 276.435,23.031 v1(276.435,23.6) ; IC13_1.2@309.273,21.134 309.273,23.068 310.665,24.46 315.149,24.46 316.371,23.238 316.969,22.64 318.988,22.64 319.435,23.086 v1(319.435,23.6)
  other v1: 25.171,23.546 67.171,23.575 109.171,23.575 151.171,23.575 193.171,23.575 235.171,23.575 277.171,23.575 320.171,23.575 24.409,24.181 25.171,24.181 66.409,24.21 67.171,24.21 108.409,24.21 109.171,24.21 150.409,24.21 151.171,24.21 192.409,24.21 193.171,24.21 234.409,24.21 235.171,24.21 276.409,24.21 277.171,24.21 319.409,24.21 320.171,24.21 24.409,24.79 25.171,24.79 66.409,24.819 67.171,24.819 108.409,24.819 109.171,24.819 150.409,24.819 151.171,24.819 192.409,24.819 193.171,24.819 234.409,24.819 235.171,24.819 276.409,24.819 277.171,24.819 319.409,24.819 320.171,24.819 351.003,67.929 352.078,67.954 352.103,69.029 350.978,69.054
P12V0: C24.2 C25.2 C59.1 C64.2 C66.2 C109_1.2 C109_2.2 C109_3.2 C110_1.2 C110_2.2 C110_3.2 FL2.2 IC5.3 IC5.4 IC19.1 R26.2 R28.2 R149_1.2 R149_2.2 R149_3.2 R150_1.2 R150_2.2 R150_3.2 T4_1.1 T4_1.3 T4_2.1 T4_2.3 T4_3.1 T4_3.3 | length 144.9
  Component Side w0.152: T4_3.1@343.603,99.754 T4_3.1@343.678,99.829 ; C110_3.2@345.203,97.979 345.153,97.929 345.153,97.264 345.663,96.754 346.356,96.754 346.609,96.5 347.047,96.5 347.301,96.754 347.928,96.754 348.103,96.929 R150_3.2@348.103,96.934 ; 362.953,100.729 363.252,101.028 363.802,101.028 364.102,101.328 364.635,101.328 364.944,101.018 364.944,100.738 365.158,100.524 R150_1.2@365.178,100.524 ; R149_1.2@368.198,98.254 368.232,98.254 368.732,97.754 369.826,97.754 R150_2.2@370.497,98.425 ; IC5.4@386.208,83.857 384.025,83.857 383.853,84.029 384.181,84.357 IC5.3@386.208,84.357
  Component Side w0.508: T4_3.3@346.218,99.829 346.218,98.994 C110_3.2@345.203,97.979 343.628,97.979 C109_3.2@343.603,97.954 343.603,99.754 343.203,99.354 339.778,99.354 C109_1.2@339.728,99.404 ; C110_1.2@353.528,105.754 354.332,106.558 354.332,106.656 ; 357.228,80.854 FL2.2@355.078,80.854 344.628,80.854 343.685,81.798 343.685,82.272 343.228,82.729 343.228,87.254 344.228,88.254 344.228,95.754 343.728,96.254 341.228,96.254 339.728,97.754 C109_1.2@339.728,99.404 ; 360.128,80.209 C64.2@360.128,82.254 ; IC19.1@360.703,79.634 IC19.1@361.853,79.634 ; 361.333,80.154 IC19.1@361.853,79.634 ; 361.853,80.349 IC19.1@361.853,79.634 ; 362.953,100.729 362.693,100.469 T4_1.3@362.693,99.579 362.753,99.519 362.753,98.138 362.67,98.054 360.828,98.054 360.739,98.143 360.739,98.173 360.153,98.759 360.153,100.318 359.427,101.044 359.427,101.561 354.332,106.656 ; T4_2.1@368.757,103.729 369.403,103.729 369.403,106.079 370.125,106.801 370.125,108.982 369.453,109.654 354.432,109.654 354.332,109.754 ; R150_2.2@370.448,98.729 371.033,99.314 v1(371.043,99.314) ; C109_1.2@339.728,99.404 337.728,101.404 337.728,108.254 338.257,108.783 338.257,108.867 339.144,109.754 354.332,109.754 ; 354.332,106.656 354.332,109.754
  Component Side w0.762: T4_2.1@368.376,103.632 366.636,103.632 C109_2.2@366.598,103.594 C110_2.2@366.598,102.019 366.728,102.019 367.632,101.115 367.632,101.092 T4_2.3@368.376,101.092 370.415,101.092 v1(371.003,100.504)
  Solder Side w0.508: v1(371.003,100.504) 371.043,100.464 v1(371.043,99.314)
P12V_1_1: CON2_1.2 T4_1.7 T4_1.8 | length 11
  Component Side w0.508: CON2_1.2@358.229,107.769 358.229,105.304 ; T4_1.8@360.153,105.167 358.366,105.167 358.229,105.304 ; T4_1.7@361.423,105.167 361.423,103.549 361.053,103.179 359.203,103.179 358.229,104.154 358.229,105.304
P12V_1_2: CON2_2.2 T4_2.7 T4_2.8 | length 9.9
  Component Side w0.508: T4_2.7@373.202,102.362 T4_2.7@373.964,102.362 375.488,102.362 375.615,102.489 375.615,103.505 375.488,103.632 T4_2.8@373.964,103.632 373.964,105.627 ; 374.254,105.917 373.964,105.627 ; CON2_2.2@374.254,107.769 374.254,106.172 373.964,105.883 373.964,105.627
P12V_1_3: CON2_3.2 T4_3.7 T4_3.8 | length 9.4
  Component Side w0.508: CON2_3.2@342.154,107.744 342.154,105.779 342.515,105.417 ; T4_3.8@343.678,105.417 342.515,105.417 ; T4_3.7@344.948,105.417 344.928,105.397 344.928,103.779 344.878,103.729 342.778,103.729 342.378,104.129 342.378,105.28 342.515,105.417
P12V_2_1: CON42_1.2 T4_1.5 T4_1.6 | length 10.3
  Component Side w0.508: T4_1.6@362.693,105.167 362.693,103.764 363.353,103.104 365.003,103.104 365.003,105.085 365.085,105.167 ; T4_1.5@363.963,105.167 365.085,105.167 ; 365.085,105.154 365.085,105.167 ; CON42_1.2@366.229,107.769 365.085,106.626 365.085,105.167
P12V_2_2: CON42_2.2 T4_2.5 T4_2.6 | length 18
  Component Side w0.508: 374.991,99.919 377.843,99.919 378.466,100.542 378.466,100.942 378.503,100.979 378.503,101.454 378.003,101.954 377.728,101.954 ; 374.991,101.189 376.963,101.189 377.728,101.954 ; CON42_2.2@382.254,107.769 382.254,106.529 381.278,105.554 378.528,105.554 377.728,104.754 377.728,101.954
P12V_2_3: CON42_3.2 T4_3.5 T4_3.6 | length 11.3
  Component Side w0.508: T4_3.6@346.218,105.417 346.386,105.249 346.386,103.821 346.728,103.479 348.128,103.479 348.203,103.404 349.028,103.404 349.466,103.842 349.466,105.417 ; T4_3.5@347.488,105.417 349.466,105.417 ; CON42_3.2@350.154,107.744 350.154,106.293 349.466,105.606 349.466,105.417
P28V0_CH_1: C37_1.2 FB4_1.2 IC6_1.4 R37_1.1 | length 9.5
  Component Side w0.254: IC6_1.4@309.535,14.976 309.708,14.803 310.166,14.803 310.384,14.585 312.805,14.585 312.994,14.774 314.094,14.774 R37_1.1@314.126,14.806 R37_1.1@313.711,14.806
  Component Side w1.27: R37_1.1@314.126,14.756 316.32,14.756 C37_1.2@316.412,14.848 316.444,14.816 FB4_1.2@316.444,12.954
P28V0_CH_2: C37_2.2 FB4_2.2 IC6_2.4 R37_2.1 | length 8.6
  Component Side w0.254: IC6_2.4@266.547,14.954 266.797,14.954 266.97,14.781 266.97,14.716 267.242,14.445 267.452,14.445 267.489,14.481 270.851,14.481 271.126,14.756 R37_2.1@271.126,14.806
  Component Side w1.27: FB4_2.2@270.851,13.208 R37_2.1@270.851,14.481 ; R37_2.1@271.126,14.756 273.32,14.756 C37_2.2@273.412,14.848
P28V0_CH_3: C37_3.2 FB4_3.2 IC6_3.4 R37_3.1 | length 8.6
  Component Side w0.254: IC6_3.4@224.547,14.954 224.695,14.806 228.93,14.806 R37_3.1@229.126,14.806
  Component Side w1.27: FB4_3.2@228.814,13.208 228.93,13.324 R37_3.1@228.93,14.756 ; R37_3.1@229.126,14.756 231.32,14.756 C37_3.2@231.412,14.848
P28V0_CH_4: C37_4.2 FB4_4.2 IC6_4.4 R37_4.1 | length 9.8
  Component Side w0.254: IC6_4.4@181.709,15.06 181.882,15.233 182.944,15.233 183.037,15.139 183.889,15.139 184.018,15.269 186.339,15.269 186.801,14.806 R37_4.1@187.126,14.806
  Component Side w1.27: FB4_4.2@186.777,13.208 186.777,14.407 187.126,14.756 189.32,14.756 C37_4.2@189.412,14.848
P28V0_CH_5: C37_5.2 FB4_5.2 IC6_5.4 R37_5.1 | length 9
  Component Side w0.254: IC6_5.4@140.563,14.954 140.736,14.781 141.035,14.781 141.363,14.453 143.145,14.453 143.498,14.806 R37_5.1@145.126,14.806
  Component Side w1.27: R37_5.1@145.126,14.756 C37_5.2@147.32,14.756 ; C37_5.2@147.412,14.848 C37_5.2@147.32,14.756 ; FB4_5.2@147.534,13.081 147.534,14.542 C37_5.2@147.32,14.756
P28V0_CH_6: C37_6.2 FB4_6.2 IC6_6.4 R37_6.1 | length 9.1
  Component Side w0.254: IC6_6.4@98.422,15.027 98.672,15.027 98.845,14.854 98.845,14.783 98.994,14.634 101.625,14.634 101.976,14.985 102.947,14.985 R37_6.1@103.126,14.806
  Component Side w1.27: R37_6.1@103.126,14.756 C37_6.2@105.32,14.756 ; FB4_6.2@105.37,13.081 105.37,14.706 C37_6.2@105.32,14.756 ; C37_6.2@105.412,14.848 C37_6.2@105.32,14.756
P28V0_CH_7: C37_7.2 FB4_7.2 IC6_7.4 R37_7.1 | length 8.6
  Component Side w0.254: IC6_7.4@56.787,14.874 57.006,14.655 59.214,14.655 59.433,14.874 61.058,14.874 R37_7.1@61.126,14.806
  Component Side w1.27: R37_7.1@61.126,14.756 C37_7.2@63.32,14.756 ; FB4_7.2@63.079,13.081 63.079,14.515 C37_7.2@63.32,14.756 ; C37_7.2@63.412,14.848 C37_7.2@63.32,14.756
P28V0_CH_8: C37_8.2 FB4_8.2 IC6_8.4 R37_8.1 | length 8.5
  Component Side w0.254: IC6_8.4@14.535,14.925 14.708,14.752 15.83,14.752 15.953,14.63 17.058,14.63 17.248,14.82 19.083,14.82 R37_8.1@19.126,14.777
  Component Side w1.27: R37_8.1@19.126,14.727 C37_8.2@20.788,14.727 ; FB4_8.2@20.788,13.081 20.788,14.195 21.32,14.727 C37_8.2@21.412,14.819
P30V0: C32_1.2 C32_2.2 C32_3.2 C32_4.2 C32_5.2 C32_6.2 C32_7.2 C32_8.2 C63.2 FL1.2 pad.9 pad.12 R17_1.2 R17_2.2 R17_3.2 R17_4.2 R17_5.2 R17_6.2 R17_7.2 R17_8.2 R96.2 R110.2 R114_1.1 R114_2.1 R114_3.1 R114_4.1 R114_5.1 R114_6.1 R114_7.1 R114_8.1 R140.2 U1_1.1 U1_2.1 U1_3.1 U1_4.1 U1_5.1 U1_6.1 U1_7.1 U1_8.1 | length 192.4
  Component Side w0.254: v1(368.728,79.254) 373.548,79.254 375.308,77.494 375.308,72.084 375.057,71.833 375.057,70.764 374.967,70.674 374.967,70.194 375.307,69.855 375.817,69.855 376.022,70.06 379.671,70.06 379.862,69.87 381.112,69.87 383.814,67.168 385.979,67.168 388.473,64.675 390.468,64.675 390.808,65.014 R96.2@390.808,66.325 ; R96.2@390.803,66.329 R96.2@390.808,66.325 ; R110.2@393.758,13.335 393.758,13.549 394.703,14.494 395.149,14.494 395.488,14.833 395.558,14.833 399.308,18.583 399.308,64.494 398.698,65.104 392.028,65.104 R96.2@390.808,66.325
  Component Side w0.762: U1_8.1@16.263,34.226 16.904,34.226 17.551,33.579 v1(17.551,32.334) ; v1(20.244,31.598) 20.396,31.75 R17_8.2@21.12,31.75 R17_8.2@21.247,31.75 ; U1_7.1@58.263,34.255 58.904,34.255 59.551,33.608 v1(59.551,32.363) ; C32_7.2@61.113,32.01 61.373,31.75 R17_7.2@63.157,31.75 ; U1_6.1@100.263,34.255 100.904,34.255 101.551,33.608 v1(101.551,32.363) ; v1(104.244,31.627) 104.367,31.75 R17_6.2@105.194,31.75 ; U1_5.1@142.263,34.255 142.904,34.255 143.551,33.608 v1(143.551,32.363) ; v1(146.244,31.627) 146.367,31.75 R17_5.2@147.104,31.75 R17_5.2@147.231,31.75 ; v1(181.228,37.254) v1(181.728,36.754) 181.709,36.754 181.709,36.45 181.728,36.43 181.728,36.004 183.477,34.255 U1_4.1@184.263,34.255 184.904,34.255 185.551,33.608 v1(185.551,32.363) ; v1(188.244,31.627) 188.367,31.75 R17_4.2@189.141,31.75 ; v1(223.478,37.254) 223.562,37.171 223.562,35.723 224.369,34.915 224.567,34.915 225.228,34.254 225.229,34.255 U1_3.1@226.263,34.255 226.904,34.255 227.551,33.608 v1(227.551,32.363) ; v1(230.244,31.627) 230.367,31.75 R17_3.2@231.178,31.75 ; U1_2.1@268.263,34.255 268.904,34.255 269.551,33.608 v1(269.551,32.363) ; v1@272.263,31.646 272.342,31.725 R17_2.2@273.139,31.725 ; U1_1.1@311.263,34.255 311.904,34.255 312.551,33.608 v1(312.551,32.363) ; v1(315.244,31.627) 315.367,31.75 R17_1.2@316.141,31.75 ; v4@347.728,89.754 v4(347.728,90.254) 347.728,91.254 350.328,93.854 FL1.2@355.078,93.854
  Solder Side w0.254: R114_8.1@16.428,32.585 17.301,32.585 v1(17.551,32.334) ; R114_7.1@58.482,31.254 59.289,31.254 v1(59.526,31.017) ; R114_6.1@100.478,31.654 101.503,31.654 v1(101.551,31.703) ; R114_5.1@142.478,31.724 143.53,31.724 v1(143.551,31.703) ; R114_4.1@184.328,31.783 185.471,31.783 v1(185.551,31.703) ; R114_3.1@226.467,31.504 227.353,31.504 v1(227.551,31.703) ; R114_2.1@268.533,31.554 269.403,31.554 v1(269.551,31.703) ; R114_1.1@311.378,30.429 312.299,30.429 312.526,30.657 v1(312.526,31.017) ; v4(349.228,90.254) 349.228,89.254 352.728,85.754 355.728,85.754 357.478,84.004 363.797,84.004 365.467,82.333 v1@368.548,79.254 ; v4@351.003,93.243 353.314,93.243 353.466,93.091 359.321,93.091 R140.2@359.601,92.812 ; v1@368.638,79.164 v1@368.548,79.254 ; v1(368.728,79.254) v1@368.548,79.254
  Solder Side w0.762: v1(181.228,37.254) v1(181.728,36.754)
  other v1: 19.837,30.886 18.999,30.912 61.837,30.915 103.837,30.915 145.837,30.915 187.837,30.915 271.837,30.915 18.263,30.937 60.999,30.941 102.999,30.941 144.999,30.941 186.999,30.941 229.845,30.937 270.999,30.941 314.833,30.937 60.263,30.966 102.263,30.966 144.263,30.966 186.263,30.966 228.263,30.966 229.006,30.963 270.263,30.966 313.263,30.966 313.995,30.963 17.526,30.988 101.526,31.017 143.526,31.017 185.526,31.017 227.526,31.017 269.526,31.017 128.978,31.254 129.728,31.254 130.478,31.254 131.478,31.254 132.228,31.254 272.263,31.471 62.244,31.627 17.551,31.674 59.551,31.703 312.551,31.703 213.478,32.004 214.228,32.004 214.978,32.004 215.728,32.004 216.478,32.004 170.728,32.254 171.478,32.254 172.228,32.254 173.228,32.254 20.244,32.309 62.244,32.338 104.244,32.338 146.244,32.338 188.244,32.338 230.244,32.338 272.244,32.338 315.244,32.338 170.728,35.754 171.728,35.754 172.728,35.754 173.978,35.754 87.228,36.004 87.978,36.004 88.728,36.004 128.978,36.004 129.728,36.004 130.478,36.004 131.478,36.004 132.228,36.004 213.128,36.254 214.228,36.254 215.228,36.254 216.228,36.254 87.478,36.504 88.478,36.504
  other v4: 346.228,90.254 350.728,90.254 346.228,91.754 347.728,91.754 349.228,91.754 350.728,91.754 346.228,93.254 347.728,93.254 349.228,93.254 350.728,93.254